# Altium PCB MSP432P401R核心板.PcbDoc
Units mm, origin at the board's own origin, x right, y up, seen from the top; angles counter-clockwise.
Board outline 52.07 x 73.66 mm, 2 copper layers (Top Layer, Bottom Layer); 39 components, 100 nets, 296 pads, 422 vias.
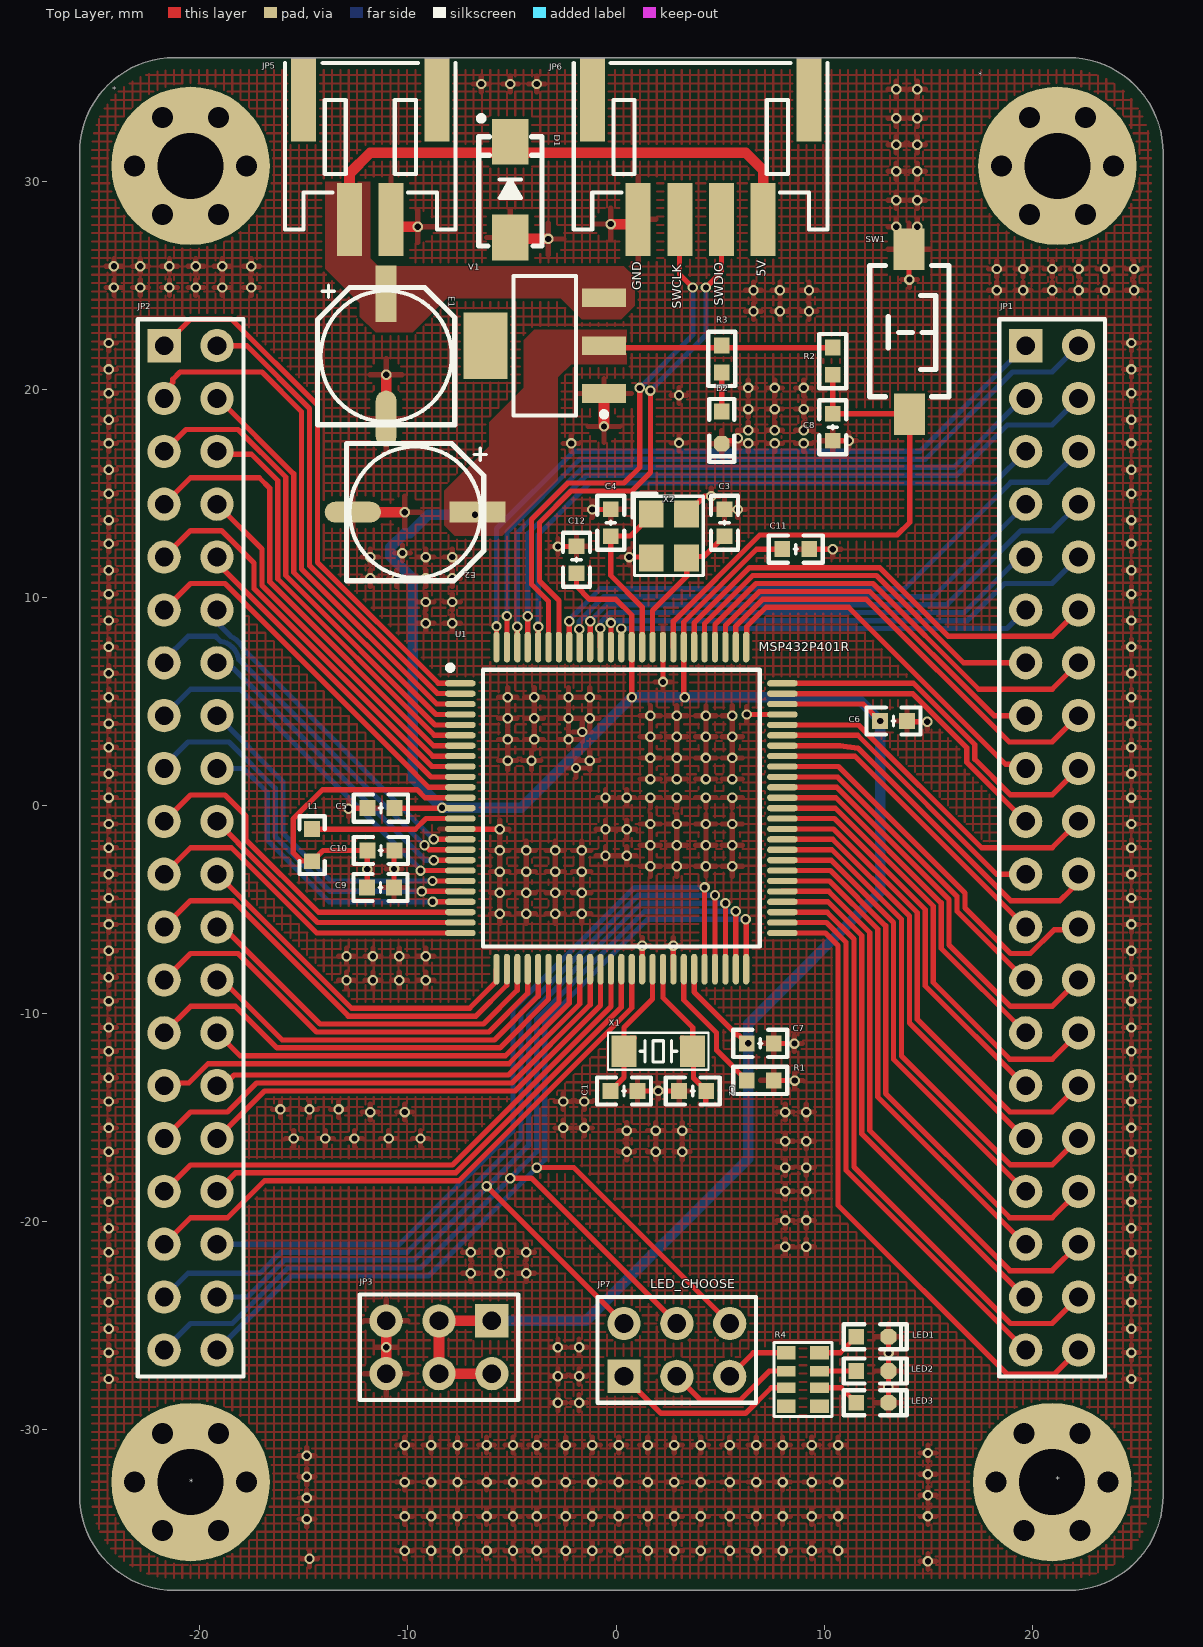
[diagram p0: Top Layer view]
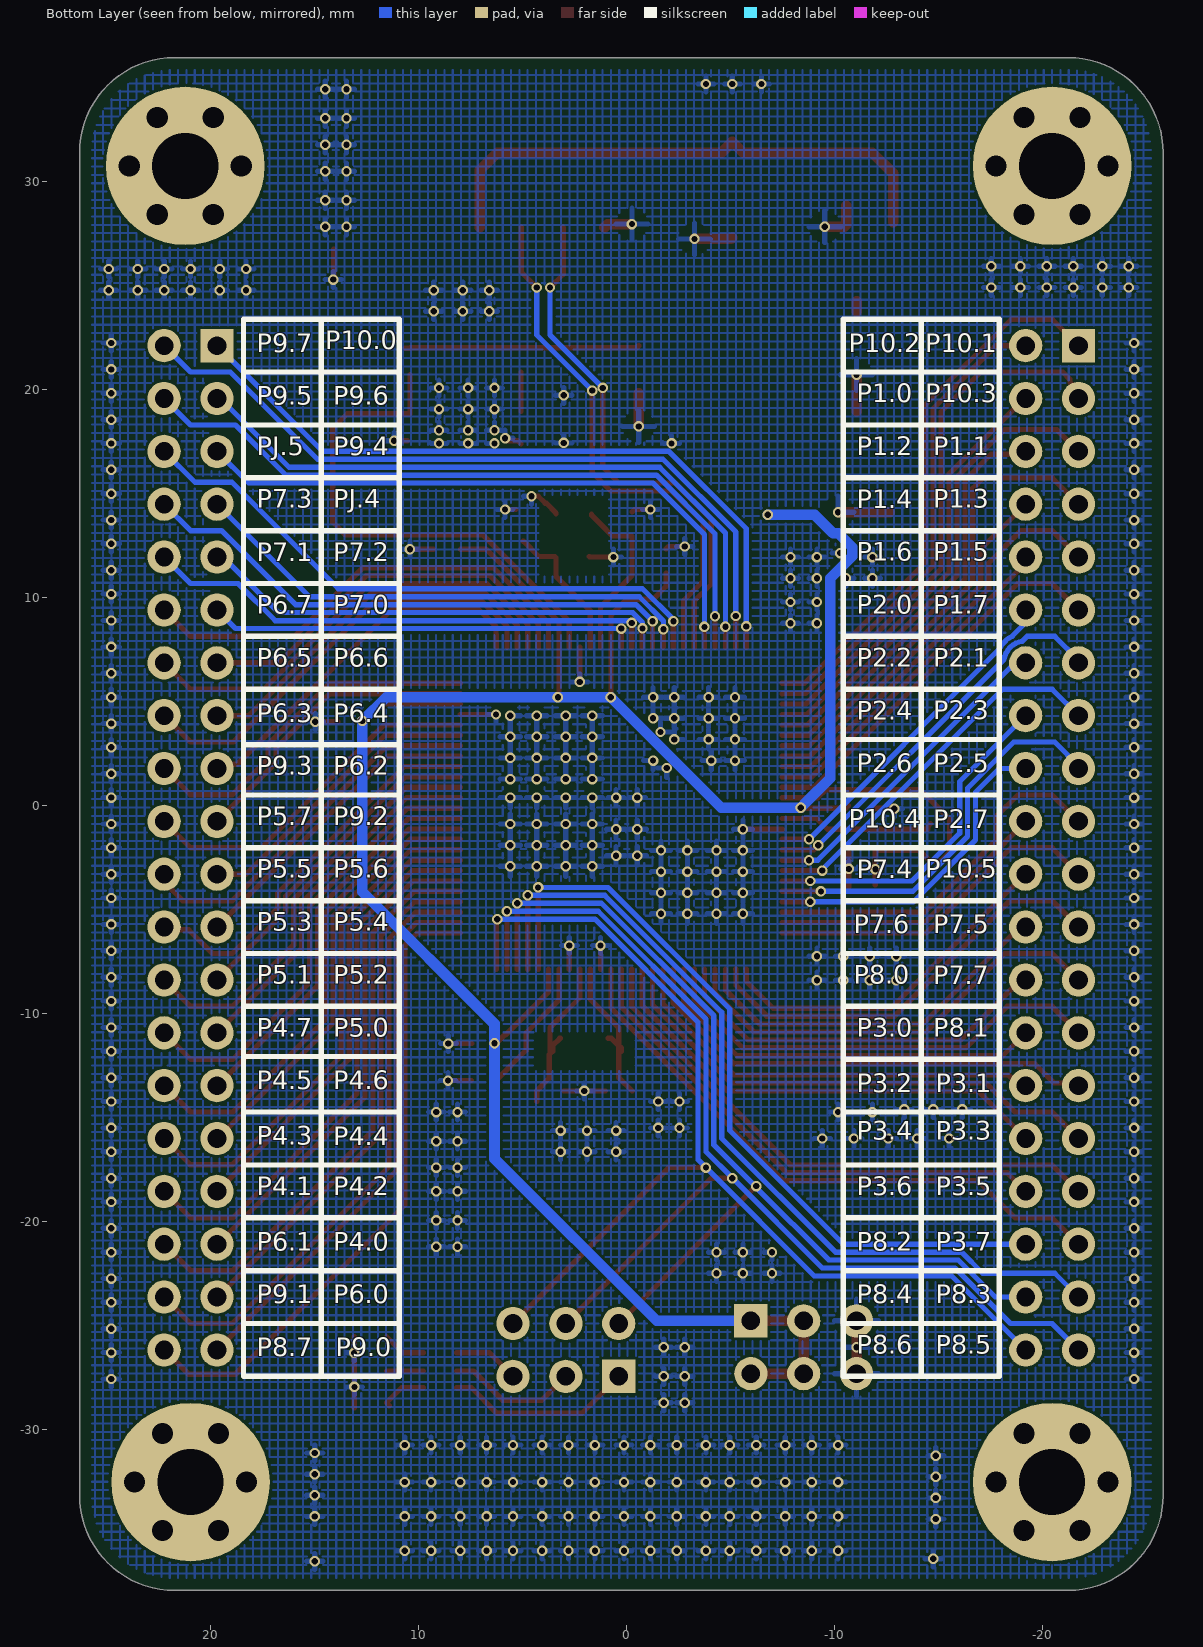
[diagram p1: Bottom Layer view, seen from below]

## Layer stack, top to bottom
Top Solder: solder mask 0.0102, Solder Resist, Dk 3.5
Top Layer: signal copper 0.0356
Dielectric 1: dielectric 0.32, FR-4, Dk 4.8
Bottom Layer: signal copper 0.0356
Bottom Solder: solder mask 0.0102, Solder Resist, Dk 3.5

## Board outline
-25.781,-33.147 ccw(c-21.209,-33.147) -21.209,-37.719 21.717,-37.719 ccw(c21.717,-33.147) 26.289,-33.147 26.289,31.369 ccw(c21.717,31.369) 21.717,35.941 -21.209,35.941 ccw(c-21.209,31.369) -25.781,31.369

## Design rules (kind name [scope] priority, off if disabled: settings)
BoardOutlineClearance [All] p1: gap=0.508 ignorepadtopadclearanceinfootprint=FALSE
Clearance [All] p1: gap=0.127 ignorepadtopadclearanceinfootprint=FALSE
PolygonConnect [All] p1: connectstyle=Relief reliefconductorwidth=0.254 reliefentries=4 polygonreliefangle="90 Angle" airgapwidth=0.254
RoutingVias [All] p1: holewidth=0.711 width=1.27 viastyle="Through Hole" minholewidth=0.711 minwidth=1.27 maxholewidth=0.711 maxwidth=1.27
SolderMaskExpansion [All] p1: expansion=0.102 istentingtop=TRUE
Width [All] p1: maxlimit=1.27 minlimit=0.203 preferedwidth=0.254
30 further rules are at their usual default settings.

## Classes and differential pairs
component class MSP432P401R核心板: * C1 C2 C3 C4 C5 C6 C7 C8 C9 C10 C11 C12 D1 D2 E1 E2 JP1 JP2 JP3 JP5 JP6 JP7 L1 LED1 LED2 LED3 R1 R2 R3 R4 SW1 U1 V1 X1 X2

## Components (designator, comment, footprint, x,y, rotation, side; value= is the part's Value field where it differs from the comment)
* "M3" "M3 125X300" 20.955,-32.512 r0 top
* "M3" "M3 125X300" -20.447,-32.512 r0 top
* "M3" "M3 125X300" -20.447,30.734 r0 top
* "M3" "M3 125X300" 21.209,30.734 r0 top
C1 "12pF" C0603_L 0.381,-13.716 r180 top
C2 "12pF" C0603_L 3.682,-13.716 r0 top
C3 "12pF" C0603_L 5.207,13.589 r270 top
C4 "12pF" C0603_L -0.254,13.589 r270 top
C5 "100nF" C0603_L -11.303,-0.127 r0 top
C6 "100nF" C0603_L 13.335,4.064 r180 top
C7 "100nF" C0603_L 6.929,-11.43 r180 top
C8 "1nF" C0603_L 10.414,18.176 r90 top
C9 "100nF" C0603_L -11.318,-3.937 r180 top
C10 "4.7uF" C0603_L -11.303,-2.159 r180 top
C11 "100nF" C0603_L 8.636,12.319 r180 top
C12 "100nF" C0603_L -1.905,11.811 r270 top
D1 "TVS" SMA -5.08,29.591 r90 top
D2 "LED" LED0603_B 5.08,18.161 r270 top
E1 "10uF/10V" "CS 6*6 - B" -11.049,21.59 r90 top
E2 "10uF/10V" "CS 6*6 - B" -9.652,14.097 r0 top
JP1 "Header 2X11" HDR2.54-LI-2x20P 20.955,-2.032 r270 top
JP2 "Header 2X11" HDR2.54-LI-2x20P -20.447,-2.032 r270 top
JP3 "Header3X2" HDR2.54-LI-2x3P -8.509,-26.035 r180 top
JP5 "HDR-1X2" PH2.0-WS-2P -11.811,33.909 r180 top
JP6 "HDR-1X4" PH2.0-WS-4P 4.064,33.909 r180 top
JP7 "Header3X2" HDR2.54-LI-2x3P 2.921,-26.162 r0 top
L1 "4.7uH" L0603 -14.605,-1.905 r270 top
LED1 "LED_2PIN" LED0603_B 12.319,-25.527 r0 top
LED2 "LED_2PIN" LED0603_G 12.319,-27.178 r0 top
LED3 "LED_2PIN" LED0603_Y 12.319,-28.702 r0 top
R1 "100K" R0603_L 6.929,-13.208 r180 top
R2 "47K" R0603_L 10.414,21.351 r90 top
R3 "1K" R0603_L 5.08,21.463 r270 top
R4 "103" RCA-8P4R-0603 8.979,-27.578 r270 top
SW1 "3x6x5" "SW SMD-3*6*2.5" 14.097,22.733 r270 top
U1 "MSP432P401R" QFP100 0.254,-0.127 r0 top
V1 "TLV1117-3V3" SOT223_L -3.429,22.098 r180 top
X1 "32.768MHz" "OSC 3215-2P" 2.032,-11.811 r180 top
X2 "48M" "OSC 3225-4P" 2.54,12.954 r270 top

## Footprints (in the part's own frame and the unit in brackets; to place one, negate y for a bottom-side part, rotate by r counter-clockwise, add the part's x,y. Pads: shape width x height; smd on the part's side, far side on the other; paste and mask are expansions set on the pad)
C0603_L [mil] "无极性贴片电容"
  rect 30x30 smd: 1(-25.59,0) 2(25.59,0)
  silkscreen extent -51,-26 51,26, body extent -31,-16 32,16, height 33
"CS 6*6 - B" [mm] "直径6mm，高6mm"
  rect 2.7x1 smd: 1(3,0)
  oval 2.7x1 smd: 2(-3,0)
  silkscreen extent -3.3,-3.3 3.43,3.3, body extent -3.5,-3.15 3.5,3.15, height 6.05
HDR2.54-LI-2x3P [mm] "双排排针，2x3脚 封装库来自淘宝卖家 ID：黄晶宝石"
  rect 1.6x1.6 hole 0.9: 1(-2.54,-1.27)
  round 1.6 hole 0.9: 2(-2.54,1.27) 3(0,-1.27) 4(0,1.27) 5(2.54,-1.27) 6(2.54,1.27)
  silkscreen extent -3.81,-2.54 3.81,2.54, body extent -3.81,-2.54 3.81,2.54, height 8.5
HDR2.54-LI-2x20P [mm] "双排排针，20x2脚"
  rect 1.6x1.6 hole 0.9: 1(-24.13,-1.27)
  round 1.6 hole 0.9: 2(-24.13,1.27) 3(-21.59,-1.27) 4(-21.59,1.27) 5(-19.05,-1.27) 6(-19.05,1.27) 7(-16.51,-1.27) 8(-16.51,1.27) 9(-13.97,-1.27) 10(-13.97,1.27) 11(-11.43,-1.27) 12(-11.43,1.27) 13(-8.89,-1.27) 14(-8.89,1.27) 15(-6.35,-1.27) 16(-6.35,1.27) 17(-3.81,-1.27) 18(-3.81,1.27) 19(-1.27,-1.27) 20(-1.27,1.27) 21(1.27,-1.27) 22(1.27,1.27) 23(3.81,-1.27) 24(3.81,1.27) 25(6.35,-1.27) 26(6.35,1.27) 27(8.89,-1.27) 28(8.89,1.27) 29(11.43,-1.27) 30(11.43,1.27) 31(13.97,-1.27) 32(13.97,1.27) 33(16.51,-1.27) 34(16.51,1.27) 35(19.05,-1.27) 36(19.05,1.27) 37(21.59,-1.27) 38(21.59,1.27) 39(24.13,-1.27) 40(24.13,1.27)
  silkscreen extent -25.4,-2.54 25.4,2.54, body extent -25.4,-2.54 25.4,2.54, height 8.5
L0603 [mil] "小功率贴片电感"
  rect 30x30 smd: 1(-30.59,0) 2(30.59,0)
  silkscreen extent -55,-24 55,24, body extent -31,-16 32,16, height 31
LED0603_B [mil] "蓝色0603LED"
  rect 30x30 smd: 1(-30.59,0)
  oct 30x30 smd: 2(30.59,0)
  silkscreen extent -54,-24 65,24, body extent -32,-16 31,16, height 24
LED0603_G [mil] "绿色0603LED"
  rect 30x30 smd: 1(-30.59,0)
  oct 30x30 smd: 2(30.59,0)
  silkscreen extent -54,-24 65,24, body extent -32,-16 31,16, height 24
LED0603_Y [mil] "黄色0603LED"
  rect 30x30 smd: 1(-30.59,0)
  oct 30x30 smd: 2(30.59,0)
  silkscreen extent -54,-24 65,24, body extent -32,-16 31,16, height 24
"M3 125X300" [mil] "M3螺丝孔，孔125Mil，焊盘300Mil"
  round 40 hole 40: 1(-106,0) 1(-53,-91.8) 1(-53,91.8) 1(53,-91.8) 1(53,91.8) 1(106,0)
  round 300 hole 125: 1(0,0)
"OSC 3215-2P" [mm] "3.2*1.5*0.6mm(长宽高)"
  rect 1.2x1.5 smd: 1(-1.65,0) 2(1.65,0)
  silkscreen extent -2.41,-0.89 2.41,0.89, body extent -1.6,-0.75 1.6,0.75, height 0.61
"OSC 3225-4P" [mm] "3.2*2.5*0.7mm(长宽高)"
  rect 1.3x1.2 smd: 1(-1.05,-0.85) 2(1.05,-0.85) 3(1.05,0.85) 4(-1.05,0.85)
  silkscreen extent -2.03,-1.75 1.91,1.65, body extent -1.6,-1.25 1.6,1.25, height 0.7
PH2.0-WS-2P [mm] "长：8mm，宽：7.6mm，高：5.5mm"
  rect 1.2x4 smd: 0(-3.2,-0.006) 0(3.2,-0.006)
  rect 1.2x3.5 smd: 1(-1,5.744) 2(1,5.744)
  silkscreen extent -4.1,-1.78 4.1,6.22, body extent -4,-1.65 4,6.95, height 5.55
PH2.0-WS-4P [mm] "长：12mm，宽：7.6mm，高：5.5mm"
  rect 1.2x4 smd: 0(-5.2,-0.006) 0(5.2,-0.006)
  rect 1.2x3.5 smd: 1(-3,5.744) 2(-1,5.744) 3(1,5.744) 4(3,5.744)
  silkscreen extent -6.1,-1.78 6.1,6.22, body extent -6,-1.65 6,6.95, height 5.55
QFP100 [mm]
  oval 1.475x0.3 smd: 1(-7.738,6) 2(-7.738,5.5) 3(-7.738,5) 4(-7.738,4.5) 5(-7.738,4) 6(-7.738,3.5) 7(-7.738,3) 8(-7.738,2.5) 9(-7.738,2) 10(-7.738,1.5) 11(-7.738,1) 12(-7.738,0.5) 13(-7.738,0) 14(-7.738,-0.5) 15(-7.738,-1) 16(-7.738,-1.5) 17(-7.738,-2) 18(-7.738,-2.5) 19(-7.738,-3) 20(-7.738,-3.5) 21(-7.738,-4) 22(-7.738,-4.5) 23(-7.738,-5) 24(-7.738,-5.5) 25(-7.738,-6) 51(7.738,-6) 52(7.738,-5.5) 53(7.738,-5) 54(7.738,-4.5) 55(7.738,-4) 56(7.738,-3.5) 57(7.738,-3) 58(7.738,-2.5) 59(7.738,-2) 60(7.738,-1.5) 61(7.738,-1) 62(7.738,-0.5) 63(7.738,0) 64(7.738,0.5) 65(7.738,1) 66(7.738,1.5) 67(7.738,2) 68(7.738,2.5) 69(7.738,3) 70(7.738,3.5) 71(7.738,4) 72(7.738,4.5) 73(7.738,5) 74(7.738,5.5) 75(7.738,6)
  oval 0.3x1.475 smd: 26(-6,-7.738) 27(-5.5,-7.738) 28(-5,-7.738) 29(-4.5,-7.738) 30(-4,-7.738) 31(-3.5,-7.738) 32(-3,-7.738) 33(-2.5,-7.738) 34(-2,-7.738) 35(-1.5,-7.738) 36(-1,-7.738) 37(-0.5,-7.738) 38(0,-7.738) 39(0.5,-7.738) 40(1,-7.738) 41(1.5,-7.738) 42(2,-7.738) 43(2.5,-7.738) 44(3,-7.738) 45(3.5,-7.738) 46(4,-7.738) 47(4.5,-7.738) 48(5,-7.738) 49(5.5,-7.738) 50(6,-7.738) 76(6,7.738) 77(5.5,7.738) 78(5,7.738) 79(4.5,7.738) 80(4,7.738) 81(3.5,7.738) 82(3,7.738) 83(2.5,7.738) 84(2,7.738) 85(1.5,7.738) 86(1,7.738) 87(0.5,7.738) 88(0,7.738) 89(-0.5,7.738) 90(-1,7.738) 91(-1.5,7.738) 92(-2,7.738) 93(-2.5,7.738) 94(-3,7.738) 95(-3.5,7.738) 96(-4,7.738) 97(-4.5,7.738) 98(-5,7.738) 99(-5.5,7.738) 100(-6,7.738)
  silkscreen extent -8.35,-6.65 6.65,6.87, body extent -8,-8 8,8, height 1.6
R0603_L [mil] "1/10W贴片电阻"
  rect 30x30 smd: 1(-25.59,0) 2(25.59,0)
  silkscreen extent -51,-26 51,26, body extent -31,-16 32,16, height 16
RCA-8P4R-0603 [mm] "3.2mm*1.6mm*0.6mm(长*宽*厚)             淘宝ID:黄晶宝石"
  rect 0.65x0.9 smd: 1(-1.28,-0.8) 4(1.28,-0.8) 5(1.28,0.8) 8(-1.28,0.8)
  rect 0.5x0.9 smd: 2(-0.4,-0.8) 3(0.4,-0.8) 6(0.4,0.8) 7(-0.4,0.8)
  silkscreen extent -1.78,-1.4 1.78,1.4, body extent -1.6,-0.8 1.6,0.8, height 0.6
SMA [mm] "4.5x2.6*2.2mm（长宽高，不包括引脚）"
  rect 2.2x1.75 smd: 1(-2.3,0) 2(2.3,0)
  silkscreen extent -2.7,-1.52 3.56,1.52, body extent -2.55,-1.3 2.55,1.3, height 2.15
SOT223_L [mm] "SOT223, 4-Leads, Body 6.5x3.5mm, Pitch 2.3mm, Lead Span 7mm, IPC High Density"
  rect 2.1x0.9 smd: 1(-2.85,2.3) 2(-2.85,0) 3(-2.85,-2.3)
  rect 2.1x3.2 smd: 4(2.85,0)
  silkscreen extent -2.98,-3.35 1.5,3.42, body extent -3.51,-3.25 3.51,3.25, height 1.65
"SW SMD-3*6*2.5" [mm] "3*6*2.5mm"
  rect 2x1.5 smd: 1(-3.996,-0.02) 2(3.937,0)
  silkscreen extent -3.21,-1.9 3.09,1.9, body extent -4,-1.75 4,1.75, height 2.59

## Part data
* * * *: "铜柱孔", BOM名称=铜柱孔, 学习资源=www.ooocke.com, 版权归属=源创客
C1 C2 C3 C4 C5 C6 C7 C8 C9 C10 C11 C12: library part C, "贴片电容", BOM名称=无极性贴片电容, 封装库来自淘宝卖家ID：黄晶宝石=其他店铺购入均为盗版假冒封装库, 联系卖家，免费查找封装=唯一出售店铺网址https://shop463601444.taobao.com
D1: "TVS保护", Code_JEDEC=DO-214-AB, 联系卖家，免费查找封装=唯一出售店铺网址https://shop463601444.taobao.com
D2: "发光二极管", 封装库来自淘宝卖家 ID：黄晶宝石=其他店铺购入均为假冒，请立即申请退款，本店奖励2~5元现金
E1 E2: library part CS_SMD, "贴片固态电容", BOM名称=贴片固态电容, 封装库来自淘宝卖家ID：黄晶宝石=其他店铺购入均为盗版假冒封装库, 联系卖家，免费查找封装=唯一出售店铺网址https://shop463601444.taobao.com
JP1 JP2: library part "Header 20X2", "20*2P接插件", BOM名称=20*2P接插件, 封装库来自淘宝卖家 ID：黄晶宝石=其他店铺购入均为盗版假冒封装库, 联系卖家，免费查找封装=唯一出售店铺网址https://shop463601444.taobao.com
JP3 JP7: library part "Header 3X2", "3*2P接插件", BOM名称=3*2P接插件, 封装库来自淘宝卖家 ID：黄晶宝石=其他店铺购入均为盗版假冒封装库, 联系卖家，免费查找封装=唯一出售店铺网址https://shop463601444.taobao.com
JP5: library part "Header 2", "2P接插件", BOM名称=2P接插件, 封装库来自淘宝卖家 ID：黄晶宝石=其他店铺购入均为盗版假冒封装库
JP6: library part "Header 4", "4P接插件", 封装库来自淘宝卖家 ID：黄晶宝石=其他店铺购入均为盗版，不享受售后技术支持服务，请立即申请退款
L1: library part L, "贴片小功率电感", BOM名称=小功率贴片电感, 封装库来自淘宝卖家ID：黄晶宝石=其他店铺购入均为盗版假冒封装库, 联系卖家，免费查找封装=唯一出售店铺网址https://shop463601444.taobao.com
LED1 LED2 LED3: "2脚LED", BOM名称=插件LED, 封装库来自淘宝卖家 ID：黄晶宝石=其他店铺购入均为假冒，请立即申请退款，本店奖励2~5元现金
R1 R2 R3: library part R, "贴片电阻", BOM名称=贴片电阻, 封装库来自淘宝卖家ID：黄晶宝石=其他店铺购入均为盗版假冒封装库, 联系卖家，免费查找封装=唯一出售店铺网址https://shop463601444.taobao.com
R4: library part R-8P4R, "贴片排阻", BOM名称=贴片网络排阻, 封装库来自淘宝卖家ID：黄晶宝石=其他店铺购入均为盗版假冒封装库, 联系卖家，免费查找封装=唯一出售店铺网址https://shop463601444.taobao.com
SW1: library part TSW_2PIN, "3x6轻触开关", BOM名称=3x6轻触开关, 联系卖家，免费查找封装=唯一出售店铺网址https://shop463601444.taobao.com
V1: library part AMS1117, "三端稳压芯片", BOM名称=稳压芯片, 封装库来自淘宝卖家 ID：黄晶宝石=其他店铺购入均为假冒，请立即申请退款，本店奖励2~5元现金
X1: library part XTAL-2P, "2脚无源脚晶振", BOM名称=2脚无源脚晶振, 联系卖家，免费查找封装=唯一出售店铺网址https://shop463601444.taobao.com
X2: library part XTAL-4P, "4脚晶振", BOM名称=4脚无源晶振, 联系卖家，免费查找封装=唯一出售店铺网址https://shop463601444.taobao.com

## Via types
v1: diameter 0.5, hole 0.3, Top Layer to Bottom Layer, tented both sides, 422 vias

## Nets (pads, with @x,y where several pads share a name; then routed paths per layer and width w, separated by ;. In a path a pad name is that pad's centre, name@x,y a point inside that pad or via, vN(x,y) a via of type N, cw(c..) or ccw(c..) an arc to the next point about the centre after c; other vN are vias at no path point)
3V3: C5.2 C6.2 C7.2 C11.2 C12.2 E2.1 JP3.1 JP3.2 JP3.3 JP3.4 R2.2 R3.1 U1.13 U1.45 U1.73 U1.82 U1.87 V1.2 | length 130.8
  Top Layer w0.254: C5.2@-10.653,0 -10.526,-0.127 U1.13 ; C12.2 -1.905,10.541 -1.27,9.906 0,9.906 0.754,9.152 U1.87 0.754,5.215 v1(0.762,5.207) ; V1.2 -0.482,22.001 R2.2 ; v1(3.302,5.207) 3.254,5.255 3.254,8.811 6.762,12.319 C11.2 ; U1.45 3.754,-8.961 5.82,-11.027 5.876,-11.027 C7.2 v1(6.35,-11.43) ; U1.73 11.876,4.873 C6.2 v1(12.7,4.064) ; R2.2@10.414,21.971 R2.2@10.633,21.971
  Top Layer w0.508: JP3.1@-6.35,-24.638 JP3.1@-6.223,-24.638 ; JP3.2 JP3.4 JP3.3 JP3.1
  Bottom Layer w0.508: v1(-6.779,13.97) -9.03,13.97 -9.919,13.081 -10.16,13.081 -10.839,12.402 -10.839,11.982 -9.779,10.922 -9.779,1.314 -8.636,0.171 v1(-8.362,-0.103) -4.548,-0.103 v1(0.762,5.207) v1(3.302,5.207) 11.557,5.207 v1(12.7,4.064) 12.7,-4.147 6.35,-10.497 v1(6.35,-11.43) 6.35,-16.971 -1.444,-24.765 JP3.1
5V: D1.2 E1.1 JP5.2 JP6.1 V1.3 | length 26.6
  Top Layer w0.508: JP5.2@-12.811,28.038 -12.811,30.369 -11.811,31.369 -5.602,31.369 D1.2 -4.558,31.369 6.223,31.369 7.064,30.528 JP6.1@7.064,27.784 ; E1.1@-11.049,23.74 E1.1@-11.049,24.24
GND: C1.1 C2.1 C3.1 C4.1 C5.1 C6.1 C7.1 C8.1 C9.1 C10.1 C11.1 C12.1 D1.1 D2.2 E1.2 E2.2 JP3.5 JP3.6 JP5.1 JP6.4 LED1.2 LED2.2 LED3.2 R1.1 SW1.1 U1.15 U1.40 U1.43 U1.72 U1.84 V1.1 X2.2 X2.4 | length 41.8
  Top Layer w0.254: v1(-12.858,-0.158) -12.827,-0.127 C5.1 ; C9.1 v1(-10.668,-3.048) C10.1@-10.668,-2.271 ; U1.15 -7.476,-1.135 -5.596,-1.135 v1(-5.588,-1.143) ; v1(-2.794,12.446) -2.017,12.446 C12.1@-1.905,12.334 ; v1(-1.143,14.224) -0.366,14.224 C4.1@-0.254,14.112 ; v1(0.635,11.938) 1.774,11.938 X2.2@1.797,11.961 ; C1.1 v1(2.031,-13.716) C2.1 ; U1.40 v1(1.254,-6.731) ; v1(2.254,5.937) U1.84 ; U1.43 v1(2.754,-6.731) ; X2.4 3.39,14.054 3.863,14.527 3.913,14.527 4.245,14.859 v1(4.572,14.859) ; D2.2 5.218,17.522 5.711,17.522 v1(5.842,17.653) ; C3.1@5.319,14.224 v1(5.842,14.224) ; v1(6.278,4.373) U1.72 ; C7.1@7.441,-11.441 v1(8.569,-11.441) ; R1.1@7.456,-13.219 v1(8.584,-13.219) ; C11.1 v1(10.414,12.319) ; C8.1@10.541,17.526 v1(11.176,17.526) ; LED3.2@13.096,-28.956 13.096,-27.955 v1(13.081,-27.94) 13.096,-27.925 v1(13.096,-26.304) LED1.2 ; C6.1@13.87,4.029 v1(14.959,4.029) ; SW1.1 14.077,25.293 v1(14.097,25.273)
  Top Layer w0.508: E2.2 v1(-10.16,14.097) ; JP3.6 v1(-11.049,-26.035) JP3.5 ; E1.2@-11.049,18.94 v1(-11.049,20.701) ; JP5.1@-10.557,28.829 -10.557,27.905 -10.465,27.813 v1(-9.525,27.813) ; D1.1 -5.014,27.225 v1(-3.261,27.225) ; v1(-0.579,18.217) V1.1 ; v1(-0.254,27.94) 0.908,27.94 JP6.4@1.064,27.784
  other v1: 14.986,-36.322 -14.732,-36.195 -10.16,-35.814 -8.89,-35.814 -7.62,-35.814 -6.223,-35.814 -4.953,-35.814 -3.81,-35.814 -2.413,-35.814 -1.143,-35.814 0.127,-35.814 1.524,-35.814 2.794,-35.814 4.064,-35.814 5.461,-35.814 6.731,-35.814 8.001,-35.814 9.398,-35.814 10.668,-35.814 -14.859,-34.29 -10.16,-34.163 -8.89,-34.163 -7.62,-34.163 -6.223,-34.163 -4.953,-34.163 -3.81,-34.163 -2.413,-34.163 -1.143,-34.163 0.127,-34.163 1.524,-34.163 2.794,-34.163 4.064,-34.163 5.461,-34.163 6.731,-34.163 8.001,-34.163 9.398,-34.163 10.668,-34.163 14.986,-34.163 -14.859,-33.274 14.986,-33.147 -10.16,-32.512 -8.89,-32.512 -7.62,-32.512 -6.223,-32.512 -4.953,-32.512 -3.81,-32.512 -2.413,-32.512 -1.143,-32.512 0.127,-32.512 1.524,-32.512 2.794,-32.512 4.064,-32.512 5.461,-32.512 6.731,-32.512 8.001,-32.512 9.398,-32.512 10.668,-32.512 -14.859,-32.258 14.986,-32.131 -14.859,-31.242 14.986,-31.115 -10.16,-30.734 -8.89,-30.734 -7.62,-30.734 -6.223,-30.734 -4.953,-30.734 -3.81,-30.734 -2.413,-30.734 -1.143,-30.734 0.127,-30.734 1.524,-30.734 2.794,-30.734 4.064,-30.734 5.461,-30.734 6.731,-30.734 8.001,-30.734 9.398,-30.734 10.668,-30.734 -2.794,-28.702 -1.778,-28.702 -24.384,-27.559 24.765,-27.559 -2.794,-27.432 -1.778,-27.432 -24.384,-26.289 24.765,-26.289 -2.794,-26.035 -1.778,-26.035 -24.384,-25.146 24.765,-25.146 -24.384,-23.876 24.765,-23.876 -24.384,-22.733 24.765,-22.733 -6.985,-22.479 -5.588,-22.479 -4.318,-22.479 -24.384,-21.463 -6.985,-21.463 -5.588,-21.463 -4.318,-21.463 24.765,-21.463 8.128,-21.209 9.144,-21.209 -24.384,-20.32 24.765,-20.32 8.128,-19.939 9.144,-19.939 -24.384,-19.05 24.765,-19.05 8.128,-18.542 9.144,-18.542 -24.384,-17.907 24.765,-17.907 8.128,-17.399 9.144,-17.399 -24.384,-16.637 0.508,-16.637 1.905,-16.637 3.175,-16.637 24.765,-16.637 8.128,-16.129 9.144,-16.129 -15.494,-16.002 -13.97,-16.002 -12.573,-16.002 -10.922,-16.002 -9.398,-16.002 0.508,-15.621 1.905,-15.621 3.175,-15.621 -24.384,-15.494 -2.54,-15.494 -1.524,-15.494 24.765,-15.494 -11.811,-14.732 -10.16,-14.732 8.128,-14.732 9.144,-14.732 -16.129,-14.605 -14.732,-14.605 -13.335,-14.605 -24.384,-14.224 -2.54,-14.224 -1.524,-14.224 24.765,-14.224 -24.384,-13.081 24.765,-13.081 -24.384,-11.811 24.765,-11.811 -24.384,-10.668 24.765,-10.668 -24.384,-9.398 24.765,-9.398 -12.954,-8.395 -11.684,-8.395 -10.414,-8.395 -9.144,-8.395 -24.384,-8.255 24.765,-8.255 -12.954,-7.239 -11.684,-7.239 -10.414,-7.239 -9.144,-7.239 -24.384,-6.985 24.765,-6.985 -24.384,-5.715 24.765,-5.715 -5.588,-5.207 -4.318,-5.207 -2.921,-5.207 -1.651,-5.207 -24.384,-4.445 24.765,-4.445 -5.588,-4.191 -4.318,-4.191 -2.921,-4.191 -1.651,-4.191 -24.384,-3.302 24.765,-3.302 -5.588,-3.175 -4.318,-3.175 -2.921,-3.175 -1.651,-3.175 1.651,-2.921 2.921,-2.921 4.318,-2.921 5.588,-2.921 -0.508,-2.413 0.508,-2.413 -5.588,-2.159 -4.318,-2.159 -2.921,-2.159 -1.651,-2.159 -24.384,-2.032 24.765,-2.032 1.651,-1.905 2.921,-1.905 4.318,-1.905 5.588,-1.905 -0.508,-1.143 0.508,-1.143 -24.384,-0.889 1.651,-0.889 2.921,-0.889 4.318,-0.889 5.588,-0.889 24.765,-0.889 -24.384,0.381 -0.508,0.381 0.508,0.381 1.651,0.381 2.921,0.381 4.318,0.381 5.588,0.381 24.765,0.381 1.651,1.27 2.921,1.27 4.318,1.27 5.588,1.27 -24.384,1.524 24.765,1.524 -1.927,1.8 -5.207,2.159 -4.064,2.159 -1.27,2.159 1.651,2.286 2.921,2.286 4.318,2.286 5.588,2.286 -24.384,2.794 24.765,2.794 -5.207,3.175 -3.937,3.175 -2.286,3.175 1.651,3.302 2.921,3.302 4.318,3.302 5.588,3.302 -1.629,3.534 -24.384,3.937 24.765,3.937 -5.207,4.191 -3.937,4.191 -2.286,4.191 -1.27,4.191 1.651,4.318 2.921,4.318 4.318,4.318 5.588,4.318 -24.384,5.207 -5.207,5.207 -3.937,5.207 -2.286,5.207 -1.27,5.207 24.765,5.207 -24.384,6.35 24.765,6.35 -24.384,7.62 24.765,7.62 -9.144,8.763 -7.874,8.763 -24.384,8.89 24.765,8.89 -9.144,9.779 -7.874,9.779 -24.384,10.16 24.765,10.16 -11.811,10.922 -10.541,10.922 -9.144,10.922 -7.874,10.922 -24.384,11.303 24.765,11.303 -11.811,11.938 -9.144,11.938 -7.874,11.938 -10.267,12.128 -24.384,12.573 24.765,12.573 -24.384,13.716 24.765,13.716 -24.384,14.986 24.765,14.986 -24.384,16.129 24.765,16.129 -24.384,17.399 -2.159,17.399 6.35,17.399 7.62,17.399 9.017,17.399 24.765,17.399 3.024,17.423 6.35,18.034 7.62,18.034 9.017,18.034 -24.384,18.542 24.765,18.542 6.35,19.05 7.62,19.05 9.017,19.05 3.024,19.709 -24.384,19.812 24.765,19.812 6.35,20.066 7.62,20.066 9.017,20.066 -24.384,20.955 24.765,20.955 -24.384,22.225 24.765,22.225 6.604,23.749 7.874,23.749 9.271,23.749 6.604,24.765 7.874,24.765 9.271,24.765 18.288,24.765 19.558,24.765 20.955,24.765 22.225,24.765 23.495,24.765 24.892,24.765 -24.13,24.892 -22.86,24.892 -21.463,24.892 -20.193,24.892 -18.923,24.892 -17.526,24.892 18.288,25.781 19.558,25.781 20.955,25.781 22.225,25.781 23.495,25.781 24.892,25.781 -24.13,25.908 -22.86,25.908 -21.463,25.908 -20.193,25.908 -18.923,25.908 -17.526,25.908 13.462,27.813 14.478,27.813 13.462,29.083 14.478,29.083 13.462,30.48 14.478,30.48 13.462,31.75 14.478,31.75 13.462,33.02 14.478,33.02 13.462,34.417 14.478,34.417 -6.477,34.671 -5.08,34.671 -3.81,34.671